# Altium PCB PCB_V1.0.PcbDoc
Units mil, origin at the board's own origin, x right, y up, seen from the top; angles counter-clockwise.
Board outline 2362.2 x 3149.61 mil, 2 copper layers (Top Layer, Bottom Layer); 88 components, 55 nets, 328 pads, 391 vias.
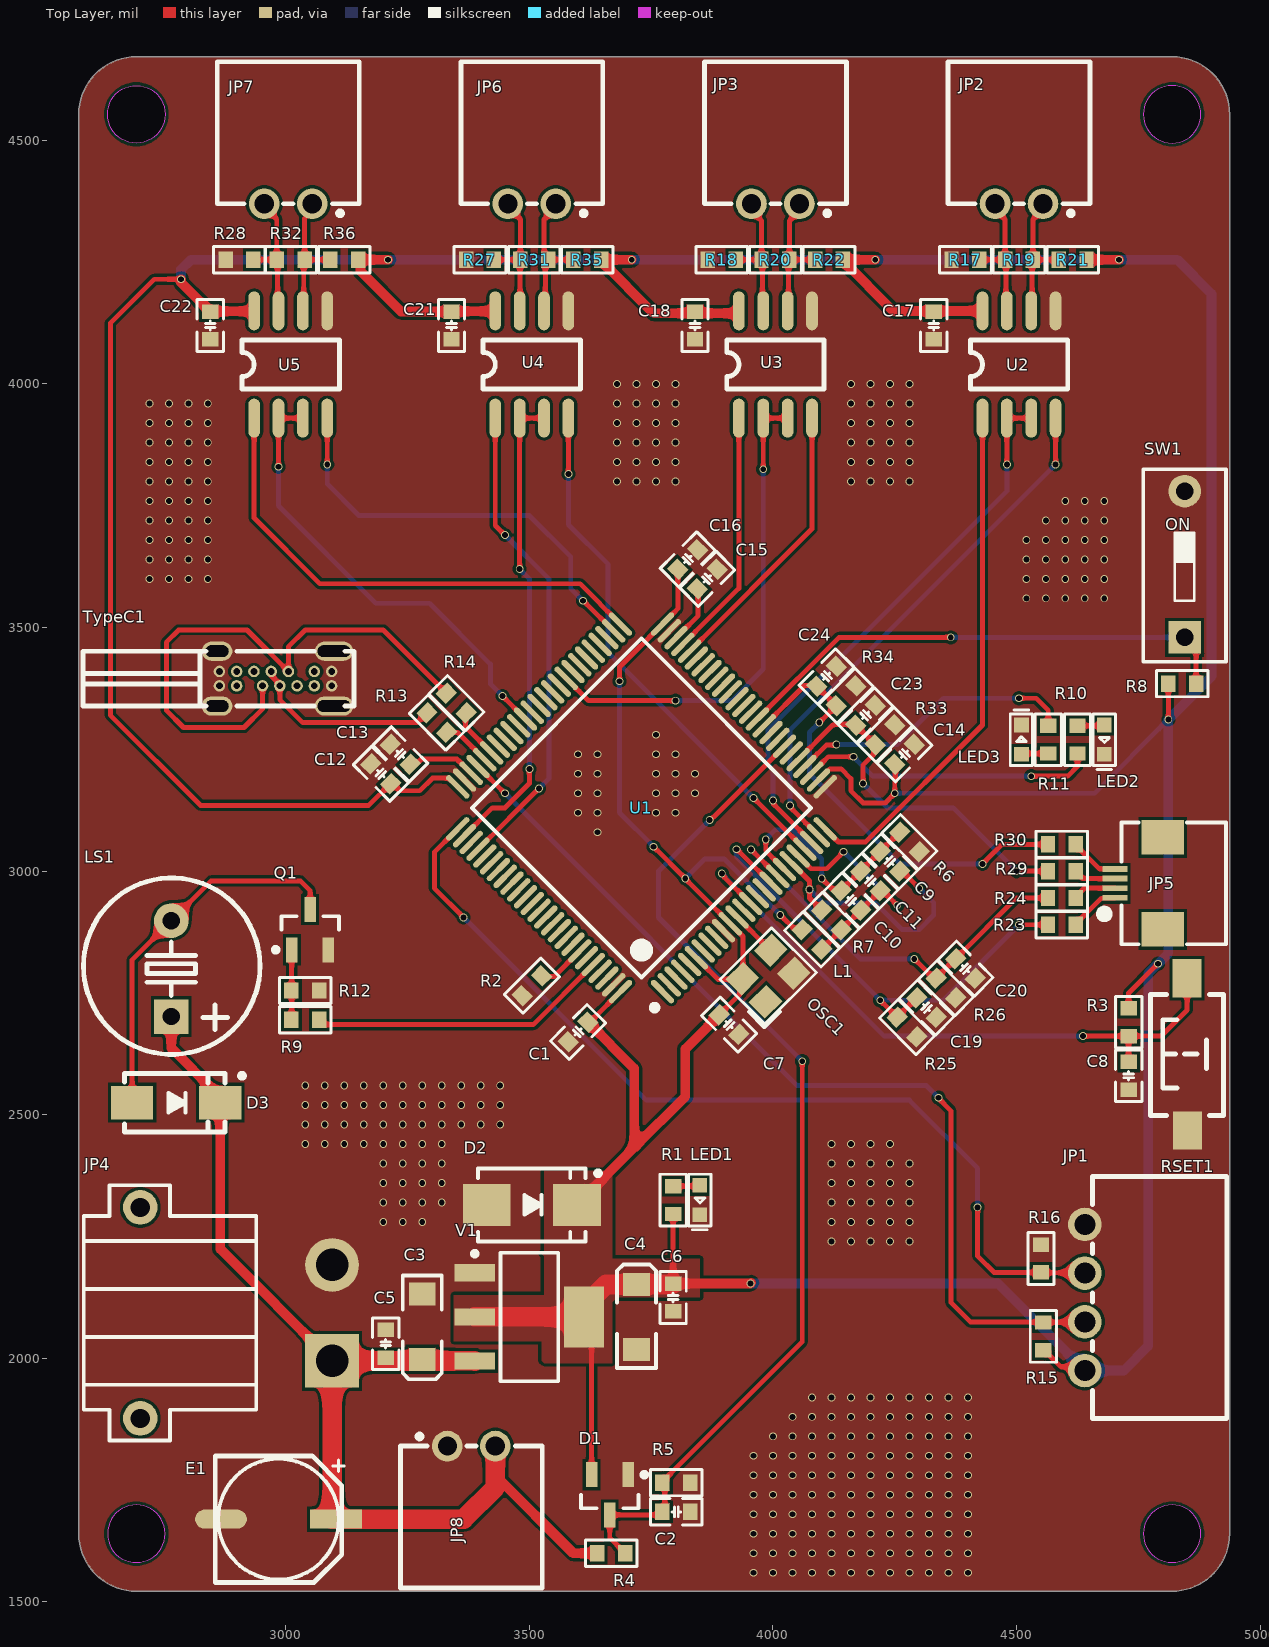
[diagram p0: Top Layer view]
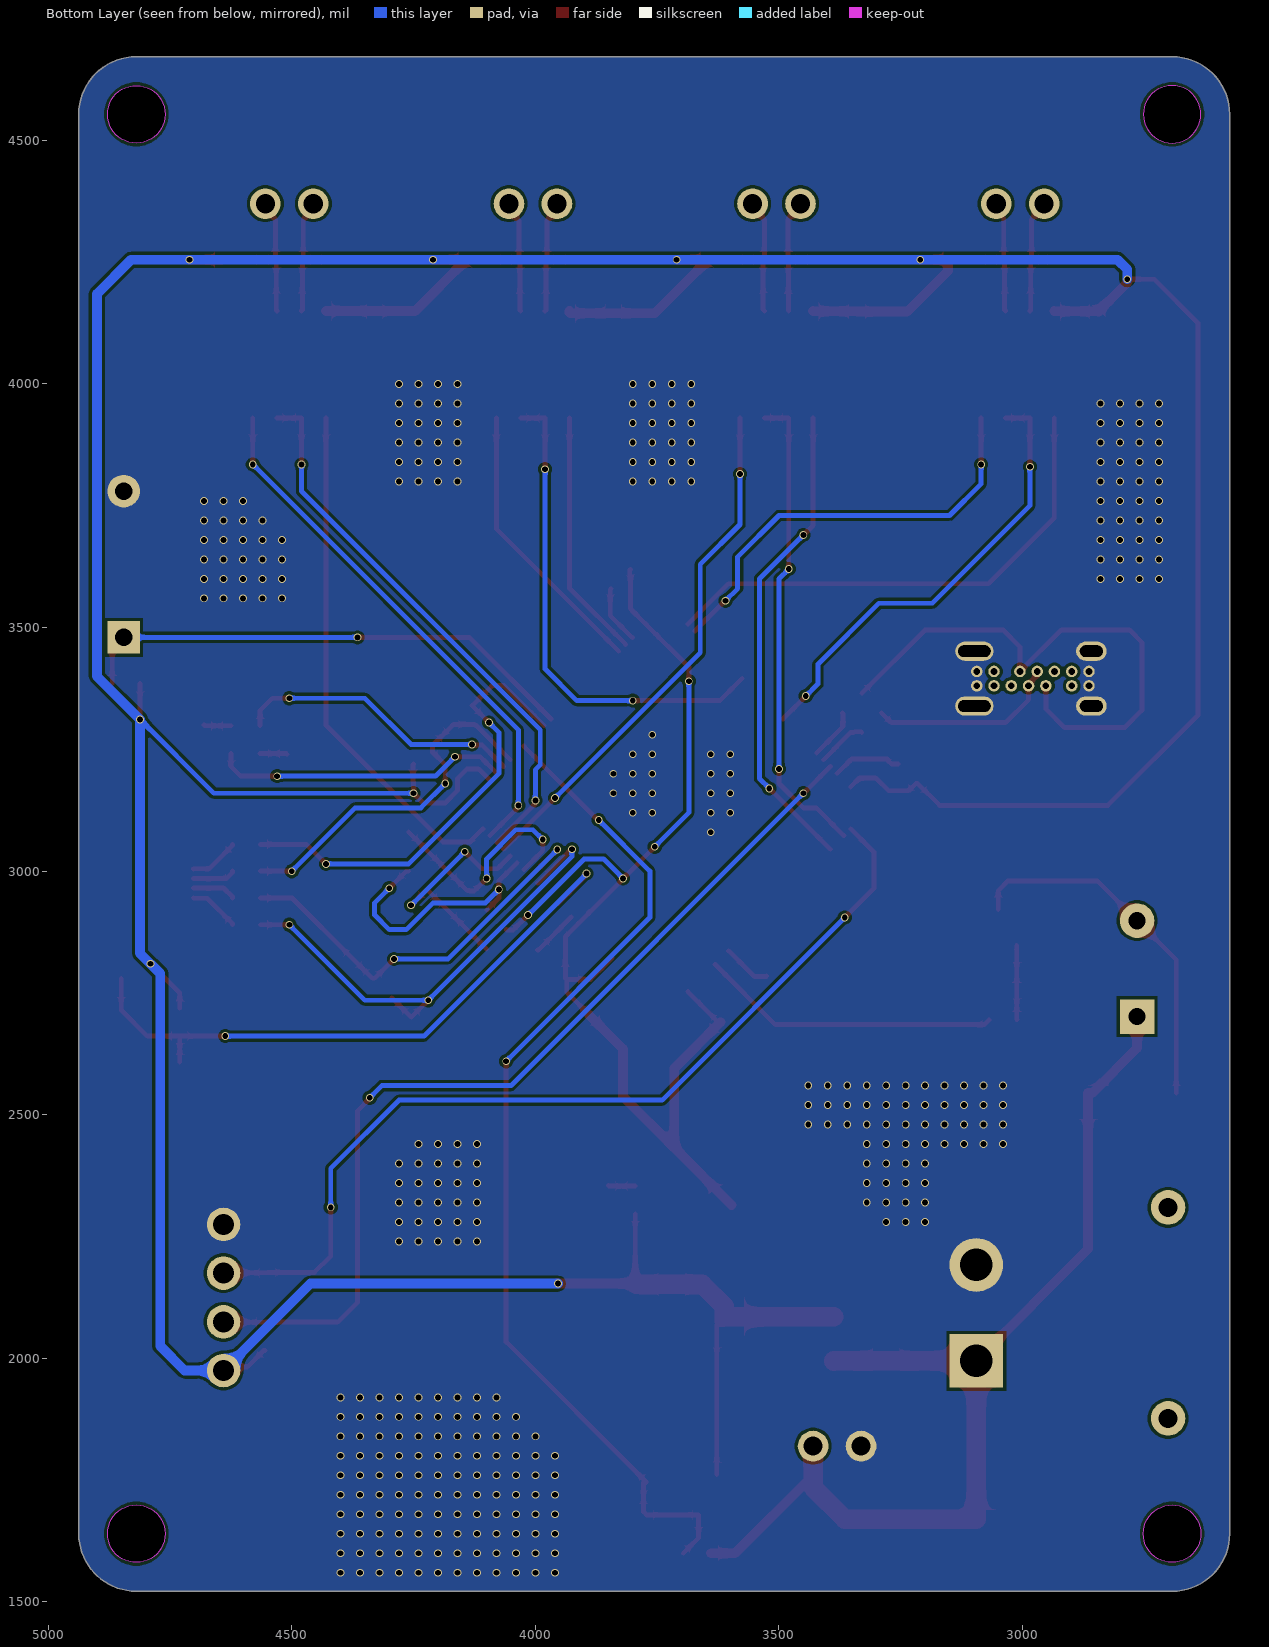
[diagram p1: Bottom Layer view, seen from below]
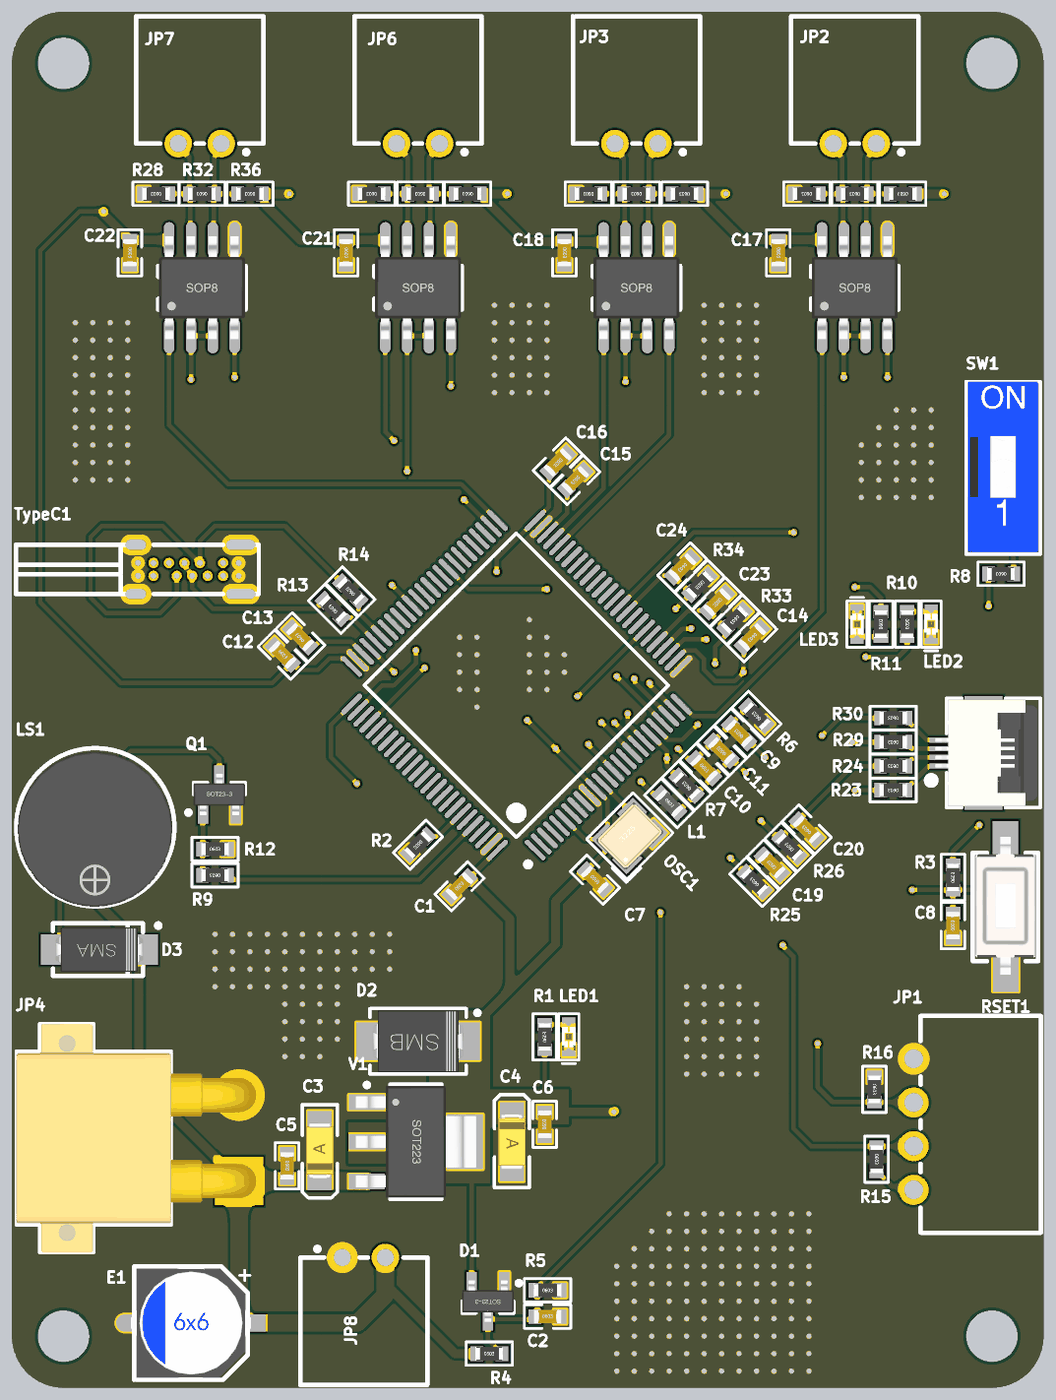
[diagram p2: 3D render of the assembled board from above, using the file's embedded part models]

## Layer stack, top to bottom
Top Solder: solder mask 0.4, Solder Resist, Dk 3.5
Top Layer: signal copper 1.4
Dielectric 1: dielectric 12.6, FR-4, Dk 4.8
Bottom Layer: signal copper 1.4
Bottom Solder: solder mask 0.4, Solder Resist, Dk 3.5

## Board outline
2575.03,1640.15 2575.03,4553.54 cw(c2693.14,4553.54) 2693.15,4671.65 4819.13,4671.65 cw(c4819.13,4553.54) 4937.24,4553.54 4937.24,1640.15 cw(c4819.13,1640.15) 4819.13,1522.04 2693.14,1522.04 cw(c2693.14,1640.15)
cut-out: 2693.14,4494.48 cw(c2693.14,4553.54) 2634.09,4553.54 cw(c2693.14,4553.54) 2693.14,4612.59 cw(c2693.14,4553.54) 2752.2,4553.54 cw(c2693.14,4553.54)
cut-out: 4760.07,1640.15 ccw(c4819.13,1640.15) 4819.13,1581.09 ccw(c4819.13,1640.15) 4878.18,1640.15 ccw(c4819.13,1640.15) 4819.13,1699.2 ccw(c4819.13,1640.15)
cut-out: 2634.09,1640.15 ccw(c2693.14,1640.15) 2693.14,1581.09 ccw(c2693.14,1640.15) 2752.2,1640.15 ccw(c2693.14,1640.15) 2693.14,1699.2 ccw(c2693.14,1640.15)
cut-out: 4760.07,4553.54 ccw(c4819.13,4553.54) 4819.13,4494.48 ccw(c4819.13,4553.54) 4878.18,4553.54 ccw(c4819.13,4553.54) 4819.13,4612.59 ccw(c4819.13,4553.54)
cut-out: 2693.14,4494.48 cw(c2693.14,4553.54) 2634.09,4553.54 cw(c2693.14,4553.54) 2693.14,4612.59 cw(c2693.14,4553.54) 2752.2,4553.54 cw(c2693.14,4553.54)

## Design rules (kind name [scope] priority, off if disabled: settings)
Clearance [All] p1: gap=6 ignorepadtopadclearanceinfootprint=TRUE
PlaneConnect [All] p1: planeconnectstyle=Direct reliefexpansion=20 reliefentries=4 reliefconductorwidth=10 reliefairgap=10
PolygonConnect [All] p1: connectstyle=Direct reliefconductorwidth=10 reliefentries=4 polygonreliefangle="90 Angle" airgapwidth=10
RoutingVias [All] p1: holewidth=28 width=50 viastyle="Through Hole" minholewidth=12 minwidth=16 maxholewidth=28 maxwidth=50
SolderMaskExpansion [All] p1: expansion=4 istentingtop=FALSE
Width Width_1 [All] p1: maxlimit=100 minlimit=10 preferedwidth=10
Width [All] p2: maxlimit=10 minlimit=10 preferedwidth=10
29 further rules are at their usual default settings.

## Components (designator, comment, footprint, x,y, rotation, side; value= is the part's Value field where it differs from the comment)
C1 "100nF" C0603_L 3600,2670 r45 top
C2 "100nF" C0603_L 3801.57,1685 r0 top
C3 "10uF" C_3216 3280,2065 r90 top
C4 "10uF" C_3216 3720,2085 r270 top
C5 "100nF" C0603_L 3205,2030 r270 top
C6 "100nF" C0603_L 3795,2125 r90 top
C7 "100nF" C0603_L 3910,2685 r315 top
C8 "100nF" C0603_L 4730,2580 r90 top
C9 "1uF" C0603_L 4240,3020 r135 top
C10 "10uF" C0603_L 4160,2940 r315 top
C11 "10nF" C0603_L 4200,2980 r135 top
C12 "100nF" C0603_L 3195,3200 r315 top
C13 "2.2uF" C0603_L 3235,3240 r135 top
C14 "100nF" C0603_L 4270,3240 r225 top
C15 "2.2uF" C0603_L 3865,3600 r225 top
C16 "100uF" C0603_L 3825,3640 r225 top
C17 "100nF" C0603_L 4330,4120 r270 top
C18 "100nF" C0603_L 3840,4120 r270 top
C19 "100uF" C0603_L 4315,2720 r135 top
C20 "100uF" C0603_L 4395,2800 r135 top
C21 "100nF" C0603_L 3340,4120 r270 top
C22 "100nF" C0603_L 2845,4120 r270 top
C23 "100uF" C0603_L 4190,3320 r225 top
C24 "100uF" C0603_L 4110,3400 r225 top
D1 "BAV99,215" SOT-23-3 3665,1720 r180 top
D2 "SMBJ3.3A" SMB 3505,2315 r180 top
D3 "SS14" SMA 2775,2525 r0 top
E1 "220uF/25V" "CS 6*6 - B" 2985,1670 r0 top
JP1 "HDR-1X4" XH2.54-W-4P 4640,2125 r90 top
JP2 "HDR-1X2" XH2.54-W-2P 4505,4370 r180 top
JP3 "HDR-1X2" XH2.54-W-2P 4005,4370 r180 top
JP4 "XT30-M" XT30PW-M 2898.15,2093.43 r90 top
JP5 "CON-4P" FPC0.5-WT-4P 4800,2975 r90 top
JP6 "HDR-1X2" XH2.54-W-2P 3505,4370 r180 top
JP7 "HDR-1X2" XH2.54-W-2P 3005,4370 r180 top
JP8 "HDR-1X2" XH2.54-W-2P 3380.79,1820 r0 top
L1 "磁珠" L0603 4080,2860 r315 top
LED1 "绿色" LED0603_B 3850,2325 r270 top
LED2 "红色" LED0603_G 4680,3270 r270 top
LED3 "红色" LED0603_R 4510,3270 r90 top
LS1 "DC5V" "BEEP 5x9x5.5" 2765,2800 r0 top
OSC1 "8MHz" XTAL-3225-4P 3990,2785 r45 top
Q1 "SS8050" SOT23-3N 3050,2880 r0 top
R1 "3KΩ" R0603_L 3795,2325 r90 top
R2 "10KΩ" R0603_L 3505,2765 r225 top
R3 "10KΩ" R0603_L 4730,2690 r90 top
R4 "200KΩ" R0603_L 3668.03,1600 r0 top
R5 "24.9KΩ" R0603_L 3801.57,1745 r0 top
R6 "0Ω" R0603_L 4280,3060 r135 top
R7 "10Ω" R0603_L 4120,2900 r135 top
R8 "10KΩ" R0603_L 4840,3385 r180 top
R9 "1KΩ" R0603_L 3040,2695 r180 top
R10 "1KΩ" R0603_L 4625,3270 r270 top
R11 "1KΩ" R0603_L 4565,3270 r90 top
R12 "10KΩ" R0603_L 3040,2755 r0 top
R13 "10Ω" R0603_L 3310,3305 r135 top
R14 "10Ω" R0603_L 3350,3345 r135 top
R15 "10K" R0603_L 4555,2045 r270 top
R16 "10K" R0603_L 4550,2205 r270 top
R17 "10KΩ" R0603_L 4395,4255 r180 top
R18 "10KΩ" R0603_L 3895,4255 r180 top
R19 "120Ω" R0603_L 4505,4255 r180 top
R20 "120Ω" R0603_L 4005,4255 r180 top
R21 "10KΩ" R0603_L 4615,4255 r180 top
R22 "10KΩ" R0603_L 4115,4255 r180 top
R23 "10KΩ" R0603_L 4592.91,2890 r180 top
R24 "10KΩ" R0603_L 4592.91,2945 r180 top
R25 "24.9KΩ" R0603_L 4275,2680 r135 top
R26 "24.9KΩ" R0603_L 4355,2760 r135 top
R27 "10KΩ" R0603_L 3398.54,4255 r180 top
R28 "10KΩ" R0603_L 2905,4255 r180 top
R29 "10KΩ" R0603_L 4592.91,3000 r180 top
R30 "10KΩ" R0603_L 4592.91,3055 r180 top
R31 "120Ω" R0603_L 3510,4255 r180 top
R32 "120Ω" R0603_L 3010,4255 r180 top
R33 "24.9KΩ" R0603_L 4230,3280 r225 top
R34 "24.9KΩ" R0603_L 4150,3360 r225 top
R35 "10KΩ" R0603_L 3618.54,4255 r180 top
R36 "10KΩ" R0603_L 3120,4255 r180 top
RSET1 "3x6x5" "SW SMD-3*6*2.5" 4850,2625 r90 top
SW1 "DIP-SW-1P" "SW DIP-1P" 4845,3630 r0 top
TypeC1 "U264-141N-4BAC10" USB-C-Type-侧插 2978.86,3395.24 r90 top
U1 "STM32H743VIT6" LQFP-100_L14.0-W14.0-P0.50-LS16.0-BL 3730,3130 r45 top
U2 "SSP485" SOP-8 4505,4040 r90 top
U3 "SSP485" SOP-8 4005,4040 r90 top
U4 "SSP485" SOP-8 3505,4040 r90 top
U5 "SSP485" SOP-8 3010,4040 r90 top
V1 "AMS1117-3V3" SOT223_L 3500,2085 r270 top

## Footprints (in the part's own frame and the unit in brackets; to place one, negate y for a bottom-side part, rotate by r counter-clockwise, add the part's x,y. Pads: shape width x height; smd on the part's side, far side on the other; paste and mask are expansions set on the pad)
"BEEP 5x9x5.5" [mm] "5*9*5.5mm(脚距,直径,高度)        淘宝ID:黄晶宝石"
  rect 1.8x1.8 hole 0.9: 1(0,-2.5)
  round 1.8 hole 0.9: 2(0,2.5)
  silkscreen extent -4.58,-4.47 4.62,4.72, body extent -4.5,-4.5 4.5,4.5, height 5.45
C0603_L [mm] "贴片MLCC电容"
  rect 0.75x0.85 smd: 1(-0.725,0) 2(0.725,0)
  silkscreen extent -1.35,-0.69 1.35,0.69, body extent -0.8,-0.4 0.8,0.4, height 0.8
C_3216 [mm] "长3.2mm，宽1.6mm，厚1.6mm"
  rect 1.2x1.4 smd: 1(-1.7,0) 2(1.7,0)
  silkscreen extent -2.74,-1.02 2.67,1.02, body extent -1.6,-0.8 1.6,0.8, height 1.63
"CS 6*6 - B" [mm] "直径6mm，高6mm             联系卖家 免费人工查找封装"
  rect 2.7x1 smd: 1(3,0)
  oval 2.7x1 smd: 2(-3,0)
  silkscreen extent -3.3,-3.3 3.43,3.3, body extent -3.5,-3.15 3.5,3.15, height 6.05
FPC0.5-WT-4P [mm] "长：6.2mm，宽：5.2mm，高：2mm"
  rect 1.8x2.2 smd: 0(-2.4,0) 0(2.4,0)
  rect 0.3x1.3 smd: 1(-0.75,2.497) 2(-0.25,2.497) 3(0.25,2.497) 4(0.75,2.497)
  silkscreen extent -3.17,-3.3 3.18,3.23, body extent -3.1,-3.15 3.1,2.85, height 2
L0603 [mm] "0603贴片叠层电感"
  rect 0.75x0.85 smd: 1(-0.725,0) 2(0.725,0)
  silkscreen extent -1.35,-0.69 1.35,0.69, body extent -0.8,-0.4 0.8,0.4, height 0.8
LED0603_B [mil] "蓝色0603LED"
  rect 30x30 smd: 1(-30,0) 2(30,0)
  silkscreen extent -53,-23 61,23, body extent -31,-16 32,16, height 24
LED0603_G [mil] "绿色LED"
  rect 30x30 smd: 1(-30,0) 2(30,0)
  silkscreen extent -53,-23 61,23, body extent -31,-16 31,16, height 24
LED0603_R [mil] "红色LED"
  rect 30x30 smd: 1(-30,0) 2(30,0)
  silkscreen extent -53,-23 61,23, body extent -31,-16 32,16, height 24
LQFP-100_L14.0-W14.0-P0.50-LS16.0-BL [mm]
  oval 0.3x1.6 smd paste-100 mask+0.051: 1(-6,-7.55) 2(-5.5,-7.55) 3(-5,-7.55) 4(-4.5,-7.55) 5(-4,-7.55) 6(-3.5,-7.55) 7(-3,-7.55) 8(-2.5,-7.55) 9(-2,-7.55) 10(-1.5,-7.55) 11(-1,-7.55) 12(-0.5,-7.55) 13(0,-7.55) 14(0.5,-7.55) 15(1,-7.55) 16(1.5,-7.55) 17(2,-7.55) 18(2.5,-7.55) 19(3,-7.55) 20(3.5,-7.55) 21(4,-7.55) 22(4.5,-7.55) 23(5,-7.55) 24(5.5,-7.55) 25(6,-7.55) 51(6,7.55) 52(5.5,7.55) 53(5,7.55) 54(4.5,7.55) 55(4,7.55) 56(3.5,7.55) 57(3,7.55) 58(2.5,7.55) 59(2,7.55) 60(1.5,7.55) 61(1,7.55) 62(0.5,7.55) 63(0,7.55) 64(-0.5,7.55) 65(-1,7.55) 66(-1.5,7.55) 67(-2,7.55) 68(-2.5,7.55) 69(-3,7.55) 70(-3.5,7.55) 71(-4,7.55) 72(-4.5,7.55) 73(-5,7.55) 74(-5.5,7.55) 75(-6,7.55)
  oval 1.6x0.3 smd paste-100 mask+0.051: 26(7.55,-6) 27(7.55,-5.5) 28(7.55,-5) 29(7.55,-4.5) 30(7.55,-4) 31(7.55,-3.5) 32(7.55,-3) 33(7.55,-2.5) 34(7.55,-2) 35(7.55,-1.5) 36(7.55,-1) 37(7.55,-0.5) 38(7.55,0) 39(7.55,0.5) 40(7.55,1) 41(7.55,1.5) 42(7.55,2) 43(7.55,2.5) 44(7.55,3) 45(7.55,3.5) 46(7.55,4) 47(7.55,4.5) 48(7.55,5) 49(7.55,5.5) 50(7.55,6) 76(-7.55,6) 77(-7.55,5.5) 78(-7.55,5) 79(-7.55,4.5) 80(-7.55,4) 81(-7.55,3.5) 82(-7.55,3) 83(-7.55,2.5) 84(-7.55,2) 85(-7.55,1.5) 86(-7.55,1) 87(-7.55,0.5) 88(-7.55,0) 89(-7.55,-0.5) 90(-7.55,-1) 91(-7.55,-1.5) 92(-7.55,-2) 93(-7.55,-2.5) 94(-7.55,-3) 95(-7.55,-3.5) 96(-7.55,-4) 97(-7.55,-4.5) 98(-7.55,-5) 99(-7.55,-5.5) 100(-7.55,-6)
  silkscreen extent -7.03,-8 6.25,6.25
R0603_L [mm] "1/10W贴片电阻"
  rect 0.75x0.85 smd: 1(-0.725,0) 2(0.725,0)
  silkscreen extent -1.35,-0.69 1.35,0.69, body extent -0.8,-0.4 0.8,0.4, height 0.4
SMA [mm] "4.5x2.6*2.2mm（长宽高，不包括引脚）联系卖家 免费查找封装"
  rect 2.2x1.75 smd: 1(-2.3,0) 2(2.3,0)
  silkscreen extent -2.7,-1.52 3.56,1.52, body extent -2.55,-1.3 2.55,1.3, height 2.15
SMB [mm] "4.7*3.9*2.2mm(长宽高，不包括引脚）联系卖家 免费查找封装"
  rect 2.5x2.2 smd: 1(2.35,0) 2(-2.35,0)
  silkscreen extent -3.57,-1.9 2.8,1.9, body extent -2.65,-1.8 2.65,1.8, height 2.35
SOP-8 [mil] "封装库来自淘宝卖家 ID：黄晶宝石"
  oval 80x24 smd: 1(-110,75) 2(-110,25) 3(-110,-25) 4(-110,-75) 5(110,-75) 6(110,-25) 7(110,25) 8(110,75)
  silkscreen extent -50,-100 50,100, body extent -118,-98 118,98, height 75
SOT23-3N [mm] "SOT23, 3-Leads, Body 2.9x1.3mm, Pitch 0.95mm, Lead Span 2.4mm, IPC Medium Density  联系卖家  获取最新版本"
  rect 0.6x1.3 smd: 1(-0.95,-1.05) 2(0.95,-1.05) 3(0,1.05)
  silkscreen extent -1.92,-1.17 1.5,0.7, body extent -1.5,-1.2 1.5,1.2, height 1.05
SOT223_L [mm] "SOT223, 4-Leads, Body 6.5x3.5mm, Pitch 2.3mm, Lead Span 7mm, IPC High Density"
  rect 0.9x2.1 smd: 1(-2.3,-2.85) 2(0,-2.85) 3(2.3,-2.85)
  rect 3.2x2.1 smd: 4(0,2.85)
  silkscreen extent -3.42,-2.97 3.35,1.5, body extent -3.25,-3.51 3.25,3.51, height 1.65
SOT-23-3 [mm] "SOT23, 3-Leads, Body 2.9x1.3mm, Pitch 0.95mm, Lead Span 2.4mm, IPC Medium Density"
  rect 0.6x1.3 smd: 1(-0.95,-1.05) 2(0.95,-1.05) 3(0,1.05)
  silkscreen extent -1.93,-1.17 1.5,0.7, body extent -1.5,-1.2 1.5,1.2, height 1.05
"SW DIP-1P" [mm] "4.1*9.9*7mm"
  rect 1.7x1.7 hole 0.9: 1(0,-3.81)
  round 1.7 hole 0.9: 2(0,3.81)
  silkscreen extent -2.16,-5.08 2.16,4.95, body extent -2.05,-4.95 2.05,4.95, height 6.65
"SW SMD-3*6*2.5" [mm] "3*6*2.5mm"
  rect 2x1.5 smd: 1(-3.996,-0.02) 2(3.937,0)
  silkscreen extent -3.21,-1.9 3.09,1.9, body extent -4,-1.75 4,1.75, height 2.59
USB-C-Type-侧插 [mm] "侧插typec"
  round 0.6 hole 0.35: 1(0.375,2.925) 2(0.375,2.025) 3(0.375,1.125) 4(0.375,0.225) 5(0.375,-0.675) 6(0.375,-2.025) 7(0.375,-2.925) 8(-0.375,-2.925) 9(-0.375,-2.025) 10(-0.375,-1.125) 11(-0.375,-0.225) 12(-0.375,0.675) 13(-0.375,2.025) 14(-0.375,2.925)
  oval 1x1.6 hole 0.6 slot 1.2 at 90 deg: 15(-1.43,3.05) 16(1.43,3.05)
  oval 1x2 hole 0.6 slot 1.7 at 90 deg: 17(-1.43,-3.05) 18(1.43,-3.05)
  silkscreen extent -1.43,-4.1 1.43,10.03
XH2.54-W-2P [mm]
  round 1.6 hole 1: 1(-1.25,0) 2(1.25,0)
  silkscreen extent -3.7,-7.4 3.7,0.6
XH2.54-W-4P [mm]
  round 1.75 hole 1.1 paste+0 mask+0.05: 1(-3.81,0) 2(-1.27,0) 3(1.27,0) 4(3.81,0)
  silkscreen extent -6.3,-7.4 6.3,-0.4
XT30PW-M [mm] "TH, 4-Leads, Body 13.95x13.3mm"
  rect 2.8x2.8 hole 1.7: 1(-2.5,-5)
  round 2.8 hole 1.7: 2(2.5,-5)
  round 1.8 hole 1: MP1(-5.5,5) MP2(5.5,5)
  silkscreen extent -6.65,-1.05 6.65,7.95, body extent -6.65,-6 6.65,7.95, height 5.05
XTAL-3225-4P [mm] "3.2*2.5*0.7mm(长宽高)                             淘宝ID:黄晶宝石"
  rect 1.3x1.2 smd: 1(-1.05,-0.85) 2(1.05,-0.85) 3(1.05,0.85) 4(-1.05,0.85)
  silkscreen extent -2.03,-1.75 1.9,1.65, body extent -1.6,-1.25 1.6,1.25, height 0.7

## Part data
C1 C5 C6 C7 C8 C9 C10 C11 C12 C13 C14 C15 C16 C19 C20 C23 C24: library part C, "贴片电容/MLCC电容", BOM名称=无极性贴片电容, 联系下单店铺卖家 免费帮你查找封装="联系下单店铺卖家 免费技术指导"
C2 C17 C18 C21 C22: library part CC, "瓷片电容", BOM名称=直插瓷片电容, 当前库版本V2024.8.30，下一版本发布时间2024年10月份 @淘宝卖家:黄晶宝石=最新版本发布网址https://item.taobao.com/item.htm?id=566775463719
C3 C4: library part CT, "贴片钽电容", BOM名称=贴片钽电容, 联系下单店铺卖家 免费帮你查找封装="联系下单店铺卖家 免费技术指导"
D1: Average Rectified Current (Io)=215mA, Forward Voltage (Vf@If)=1.25V@150mA, JLCPCB Part Class="Basic Part", LCSC Part Name="电压:100V 电流:215mA", Manufacturer=Nexperia(安世), Operating Temperature=-, Power Dissipation=250mW, Reverse Leakage Current=500nA@80V, Reverse Voltage (Vr)=100V, Add into BOM=yes, Convert to PCB=yes, Datasheet=https://atta.szlcsc.com/upload/public/pdf/source/20151007/1457707429518.pdf, Device=BAV99,215, Diode Configuration=1对串联式, Manufacturer Part=BAV99,215, Reverse Recovery Time (trr)=4ns, Supplier=LCSC, Supplier Footprint=SOT-23, Supplier Part=C2500, Symbol=BAV99,215
D2: library part SMBJ30A-E3/52, "30V 600W瞬态抑制二极管", BOM名称=TVS瞬态抑制二极管, 属性="30V 600W", 当前库版本V2024.8.30，下一版本发布时间2024年10月份 @淘宝卖家:黄晶宝石=最新版本发布网址https://item.taobao.com/item.htm?id=566775463719
D3: "肖特基二极管", BOM名称=肖特基二极管, 属性=40V/1A, 当前库版本V2024.8.30，下一版本发布时间2024年10月份 @淘宝卖家:黄晶宝石=最新版本发布网址https://item.taobao.com/item.htm?id=566775463719
E1: library part CS_SMD, "贴片固态电容", BOM名称=贴片固态电容, 联系下单店铺卖家 免费帮你查找封装="联系下单店铺卖家 免费技术指导"
JP1: library part "Header 4", "4P接插件", BOM名称=4P接插件, 封装库来自淘宝卖家ID：黄晶宝石=其他店铺购入均为盗版封装库，请立即申请退款，本店现金奖励50~200元, 联系卖家，免费查找封装=唯一出售店铺网址https://shop463601444.taobao.com
JP2 JP3 JP6 JP7 JP8: library part "Header 2", "2P接插件", BOM名称=2P接插件, 封装库来自淘宝卖家ID：黄晶宝石=其他店铺购入均为盗版封装库，请立即申请退款，本店现金奖励50~200元, 联系卖家，免费查找封装=唯一出售店铺网址https://shop463601444.taobao.com
JP4: "XT30公头", 当前库版本V2024.5.31，下一版本发布时间2024年8月份 @淘宝卖家:黄晶宝石=最新版本发布网址https://item.taobao.com/item.htm?id=566775463719
JP5: library part "Header 4", "4P连接器", BOM名称=4P连接器, 封装库来自淘宝卖家:黄晶宝石=最新版本发布https://shop463601444.taobao.com
L1: library part L, "贴片小功率电感", BOM名称=小功率贴片电感, 联系下单店铺卖家 免费帮你查找封装="联系下单店铺卖家 免费技术指导"
LED1 LED2 LED3: library part LED, "贴片LED", BOM名称=贴片LED, 封装库来自淘宝卖家：黄晶宝石=其他店铺购入均为盗版封装库，无更新权益，请立即申请退款，本店现金奖励200~1000元
LS1: library part BEEP, "蜂鸣器", BOM名称=蜂鸣器, 联系下单店铺卖家 免费技术支持="联系下单店铺卖家 免费帮你查找封装"
OSC1: library part XTAL-OT2EL4C4JI, JLCPCB Part Class="Extended Part", LCSC Part Name="8MHZ?1.8V-3.3V?±10PPM YSO110TR", Manufacturer=YXC(扬兴晶振), Manufacturer Part=OT2EL4C4JI-111OLP-8M, Normal temperature Frequency Tolerance=±10ppm, Operating Temperature=-40℃~+85℃, Supply Voltage=1.8V~3.3V, Add into BOM=yes, Convert to PCB=yes, Datasheet=https://atta.szlcsc.com/upload/public/pdf/source/20221009/1148DEA51132416CC556CBB25766F9C8.pdf, Device=OT2EL4C4JI-111OLP-8M, Output Type=CMOS, Supplier=LCSC, Supplier Footprint=SMD3225-4P, Supplier Part=C5189450, Symbol=OT2EL4C4JI-111OLP-8M
Q1: library part 8050-SMD, "高频放大-NPN型", BOM名称=高频放大-NPN型, 参数="40V 1.5A 1W 100MHZ", 当前库版本V2024.8.30，下一版本发布时间2024年10月份 @淘宝卖家:黄晶宝石=最新版本发布网址https://item.taobao.com/item.htm?id=566775463719
R1 R2 R3 R4 R5 R6 R7 R8 R9 R10 R11 R12 R13 R14 R15 R16 R17 R18 R19 R20 R21 R22 R23 R24 R25 R26 R27 R28 R29 R30 R31 R32 R33 R34 R35 R36: library part R, "贴片电阻", BOM名称=贴片电阻, 联系下单店铺卖家 免费帮你查找封装="联系下单店铺卖家 免费技术指导"
RSET1: library part SW-PB, "微动开关", BOM名称=3x6轻触开关, 联系下单店铺卖家 免费技术支持="联系下单店铺卖家 免费帮你查找封装"
SW1: "1路拨码开关", BOM名称=1路拨码开关, 联系下单店铺卖家 免费技术支持="联系下单店铺卖家 免费帮你查找封装"
TypeC1: library part USB3.0-Type-C-侧插, Current Rating - Power (Max)=3A, JLCPCB Part Class="Extended Part", LCSC Part Name="Type-C 母 侧插", Manufacturer="XKB Connectivity(中国星坤)", Operating Temperature Range=-40℃~+85℃, Soldering Temperature(Max)=235℃, Add into BOM=yes, Connector Type=Type-C, Contact Material=铜合金, Contact Plating=金, Convert to PCB=yes, Datasheet=https://atta.szlcsc.com/upload/public/pdf/source/20211011/3C526B1D157DB714A375BD92771BEA39.pdf, Device=U264-141N-4BAC10, Gender=母, Manufacturer Part=U264-141N-4BAC10, Mounting Style=侧插, Number of Contacts=14P, Number of Ports=1, Standard="USB 3.1", Supplier=LCSC, Supplier Footprint=插件, Supplier Part=C692526, Symbol=U264-141N-4BAC10
U1: library part STM32H743VIT6_C114409, JLCPCB Part Class="Extended Part", LCSC Part Name="带DSP和DP-FPU的高性能ARM Cortex-M7 MCU，具有2 MB Flash、1 MB RAM、480 MHz CPU、ART加速器、一级缓存、外部存储器接口和大量外设", Low-Voltage Detect=有, Manufacturer=ST(意法半导体), Operating Temperature Range=-40℃~+85℃, Operating Voltage Range=1.71V~3.6V, ADC (Bit)=16bit, Add into BOM=yes, Convert to PCB=yes, CPU Core=-, CPU Maximum Speed=480MHz, DAC (Bit)=12bit, Datasheet=https://atta.szlcsc.com/upload/public/pdf/source/20200508/C529058_DA70143F266D6D825C3A912656F12A87.pdf, Device=STM32H743VIT6_C114409, Direct Memory Access=有, GPIO Ports Number=82, Infrared Data Association=有, Internal Oscillator=有, LCD Module=有, Manufacturer Part=STM32H743VIT6, Program Storage Size=2MB, Secure Digital Input and Output=有, Supplier=LCSC, Supplier Footprint=LQFP-100(14x14), Supplier Part=C114409, Symbol=stm32h743vit6_c114409, Universal Serial Bus=有, Watchdog=有
U2 U3 U4 U5: library part MAX3485CSA, "RS485/RS422收发器芯片", 当前库版本V2024.8.30，下一版本发布时间2024年10月份 @淘宝卖家:黄晶宝石=最新版本发布网址https://item.taobao.com/item.htm?id=566775463719
V1: library part AMS1117, "三端稳压芯片", BOM名称=稳压芯片, 当前库版本V2024.8.30，下一版本发布时间2024年10月份 @淘宝卖家:黄晶宝石=最新版本发布网址https://item.taobao.com/item.htm?id=566775463719, 联系下单店铺卖家 免费帮你查找封装="联系下单店铺卖家 免费技术支持"

## Via types
v1: diameter 16, hole 12, Top Layer to Bottom Layer, tented both sides, 334 vias
v2: diameter 16, hole 12, Top Layer to Bottom Layer, 57 vias

## Nets (pads, with @x,y where several pads share a name; then routed paths per layer and width w, separated by ;. In a path a pad name is that pad's centre, name@x,y a point inside that pad or via, vN(x,y) a via of type N, cw(c..) or ccw(c..) an arc to the next point about the centre after c; other vN are vias at no path point)
ADCP0: C19.2 R23.2 R25.2 U1.17 | length 1046.2
  Top Layer w10: v2(3925,3045) 3925.87,3045 3995.37,2975.5 U1.17 ; v2(4220,2735) R25.2 C19.2 ; v2(4505,2890) R23.2
  Bottom Layer w10: v2(3925,3045) 3925,3030 v2(4220,2735) 4350,2735 v2(4505,2890)
ADCP1: C20.2 R24.2 R26.2 U1.18 | length 864.5
  Top Layer w10: v2(3955,3044.2) U1.18 ; v2(4290,2820) 4329.82,2780.18 R26.2 C20.2 4499.63,2945 R24.2
  Bottom Layer w10: v2(3955,3044.2) 4179.2,2820 v2(4290,2820)
ADCP2: C23.2 R29.2 R33.2 U1.30 | length 752.6
  Top Layer w10: U1.30 4122.71,3300 4125,3300 4126.21,3301.21 4168.42,3301.21 C23.2 R33.2@4211.21,3258.42 ; v2(4185,3180) 4185,3218.41 4211.21,3244.62 R33.2@4211.21,3258.42 ; R33.2 R33.2@4211.21,3258.42 ; v2(4500,3000) R29.2
  Bottom Layer w10: v2(4185,3180) 4235,3130 4370,3130 v2(4500,3000)
ADCP3: C24.2 R30.2 R34.2 U1.35 | length 944.4
  Top Layer w10: U1.35 4064.73,3381.21 4088.42,3381.21 C24.2 R34.2 v2(4095,3305) ; v2(4430,3015) 4470,3055 R30.2
  Bottom Layer w10: v2(4095,3305) 4075,3285 4075,3200 4260,3015 v2(4430,3015)
API0: JP5.1 R23.1 | length 104.4
  Top Layer w10: R23.1 4621.46,2891.97 4674.06,2944.57 4700.79,2944.57 JP5.1
API1: JP5.2 R24.1 | length 89.7
  Top Layer w10: R24.1 4621.46,2946.97 4639.65,2965.16 JP5.2
API2: JP5.3 R29.1 | length 87.7
  Top Layer w10: R29.1 4621.46,2998.03 4634.65,2984.84 JP5.3
API3: JP5.4 R30.1 | length 102.3
  Top Layer w10: R30.1 4621.46,3053.03 4669.47,3005.02 4701.2,3005.02 JP5.4
BATADC: C2.1 D1.3 R4.2 R5.1 U1.32 | length 2128.5
  Top Layer w10: R4.2 3665,1631.57 D1.3 3771.69,1678.66 3778.03,1685 R5.1@3778.03,1745 ; R5.1 3773.03,1746.97 4060,2033.94 v2(4060,2610) ; v2(3870,3105) 3871.62,3105 3877.77,3111.15 3878.18,3111.15 U1.32
  Bottom Layer w10: v2(3870,3105) 3765,3000 3765,2905 v2(4060,2610)
BEEP: R9.1 U1.96 | length 618.1
  Top Layer w10: R9.1 3068.54,2694.76 3078.31,2685 3507.71,2685 U1.96
GND: C1.1 C2.2 C3.2 C4.2 C5.1 C6.1 C7.2 C8.1 C12.1 C13.2 C14.1 C15.1 C16.1 C17.2 C18.2 C19.1 C20.1 C21.2 C22.2 C23.1 C24.1 D1.1 D2.1 E1.2 JP1.4 JP4.2 JP8.1 LED1.2 LED2.2 LED3.2 OSC1.2 Q1.2 R2.2 R5.2 R6.1 R12.2 R16.1 R17.2 R18.2 R25.1 R26.1 R27.2 R28.2 R33.1 R34.1 RSET1.1 SW1.2 TypeC1.1 TypeC1.7 TypeC1.8 TypeC1.14 TypeC1.15 TypeC1.16 TypeC1.17 TypeC1.18 U1.10 U1.26 U1.49 U1.74 U1.99 U2.5 U3.5 U4.5 U5.5 V1.1
  other v1: 3960,1560 4000,1560 4040,1560 4080,1560 4120,1560 4160,1560 4200,1560 4240,1560 4280,1560 4320,1560 4360,1560 4400,1560 3960,1600 4000,1600 4040,1600 4080,1600 4120,1600 4160,1600 4200,1600 4240,1600 4280,1600 4320,1600 4360,1600 4400,1600 3960,1640 4000,1640 4040,1640 4080,1640 4120,1640 4160,1640 4200,1640 4240,1640 4280,1640 4320,1640 4360,1640 4400,1640 3960,1680 4000,1680 4040,1680 4080,1680 4120,1680 4160,1680 4200,1680 4240,1680 4280,1680 4320,1680 4360,1680 4400,1680 3960,1720 4000,1720 4040,1720 4080,1720 4120,1720 4160,1720 4200,1720 4240,1720 4280,1720 4320,1720 4360,1720 4400,1720 3960,1760 4000,1760 4040,1760 4080,1760 4120,1760 4160,1760 4200,1760 4240,1760 4280,1760 4320,1760 4360,1760 4400,1760 3960,1800 4000,1800 4040,1800 4080,1800 4120,1800 4160,1800 4200,1800 4240,1800 4280,1800 4320,1800 4360,1800 4400,1800 4000,1840 4040,1840 4080,1840 4120,1840 4160,1840 4200,1840 4240,1840 4280,1840 4320,1840 4360,1840 4400,1840 4040,1880 4080,1880 4120,1880 4160,1880 4200,1880 4240,1880 4280,1880 4320,1880 4360,1880 4400,1880 4080,1920 4120,1920 4160,1920 4200,1920 4240,1920 4280,1920 4320,1920 4360,1920 4400,1920 4120,2240 4160,2240 4200,2240 4240,2240 4280,2240 3200,2280 3240,2280 3280,2280 4120,2280 4160,2280 4200,2280 4240,2280 4280,2280 3200,2320 3240,2320 3280,2320 3320,2320 4120,2320 4160,2320 4200,2320 4240,2320 4280,2320 3200,2360 3240,2360 3280,2360 3320,2360 4120,2360 4160,2360 4200,2360 4240,2360 4280,2360 3200,2400 3240,2400 3280,2400 3320,2400 4120,2400 4160,2400 4200,2400 4240,2400 4280,2400 3040,2440 3080,2440 3120,2440 3160,2440 3200,2440 3240,2440 3280,2440 3320,2440 4120,2440 4160,2440 4200,2440 4240,2440 3040,2480 3080,2480 3120,2480 3160,2480 3200,2480 3240,2480 3280,2480 3320,2480 3360,2480 3400,2480 3440,2480 3040,2520 3080,2520 3120,2520 3160,2520 3200,2520 3240,2520 3280,2520 3320,2520 3360,2520 3400,2520 3440,2520 3040,2560 3080,2560 3120,2560 3160,2560 3200,2560 3240,2560 3280,2560 3320,2560 3360,2560 3400,2560 3440,2560 3640,3080 3600,3120 3640,3120 3760,3120 3800,3120 3600,3160 3640,3160 3760,3160 3800,3160 3840,3160 3600,3200 3640,3200 3760,3200 3800,3200 3840,3200 3600,3240 3640,3240 3760,3240 3800,3240 3760,3280 4520,3560 4560,3560 4600,3560 4640,3560 4680,3560 2720,3600 2760,3600 2800,3600 2840,3600 4520,3600 4560,3600 4600,3600 4640,3600 4680,3600 2720,3640 2760,3640 2800,3640 2840,3640 4520,3640 4560,3640 4600,3640 4640,3640 4680,3640 2720,3680 2760,3680 2800,3680 2840,3680 4520,3680 4560,3680 4600,3680 4640,3680 4680,3680 2720,3720 2760,3720 2800,3720 2840,3720 4560,3720 4600,3720 4640,3720 4680,3720 2720,3760 2760,3760 2800,3760 2840,3760 4600,3760 4640,3760 4680,3760 2720,3800 2760,3800 2800,3800 2840,3800 3680,3800 3720,3800 3760,3800 3800,3800 4160,3800 4200,3800 4240,3800 4280,3800 2720,3840 2760,3840 2800,3840 2840,3840 3680,3840 3720,3840 3760,3840 3800,3840 4160,3840 4200,3840 4240,3840 4280,3840 2720,3880 2760,3880 2800,3880 2840,3880 3680,3880 3720,3880 3760,3880 3800,3880 4160,3880 4200,3880 4240,3880 4280,3880 2720,3920 2760,3920 2800,3920 2840,3920 3680,3920 3720,3920 3760,3920 3800,3920 4160,3920 4200,3920 4240,3920 4280,3920 2720,3960 2760,3960 2800,3960 2840,3960 3680,3960 3720,3960 3760,3960 3800,3960 4160,3960 4200,3960 4240,3960 4280,3960 3680,4000 3720,4000 3760,4000 3800,4000 4160,4000 4200,4000 4240,4000 4280,4000
HS_DN: R14.1 U1.70 | length 104.8
  Top Layer w10: R14.1 3368.79,3323.43 3368.79,3296.33 U1.70
HS_DP: R13.1 U1.71 | length 102.6
  Top Layer w10: R13.1 3331.57,3286.21 3345.38,3286.21 3346.78,3284.82 3352.47,3284.82 U1.71
LED1: R10.2 U1.28 | length 611
  Top Layer w10: U1.28 4113.39,3235 v2(4165,3235) ; v2(4530,3195) 4605,3195 4625,3215 R10.2
  Bottom Layer w10: v2(4165,3235) 4205,3195 v2(4530,3195)
LED2: R11.2 U1.29 | length 599.4
  Top Layer w10: U1.29 4109.41,3258.85 4128.85,3258.85 v2(4130,3260) ; v2(4505,3355) 4540,3355 4565,3330 R11.2
  Bottom Layer w10: v2(4130,3260) 4255,3260 4350,3355 v2(4505,3355)
NetC8_2: C8.2 R3.1 RSET1.2 U1.14 | length 1321
  Top Layer w10: v2(3895,2995) 3896.15,2993.85 3896.15,2991.7 U1.14 ; v2@4635,2660 v2(4636.46,2661.46) R3.1 ; C8.2 R3.1 ; RSET1.2 4850,2715 4796.46,2661.46 R3.1
  Bottom Layer w10: v2(3895,2995) 4228.54,2661.46 v2(4636.46,2661.46)
NetC9_1: C9.1 R7.2 U1.20 | length 546.1
  Top Layer w10: U1.20@4037.68,3017.26 U1.20 4075,2979.88 v2(4075,2962.44) 4075,2945 R7.2 ; C9.1 4265.18,2999.82 v2(4300,2965)
  Bottom Layer w10: v2(4075,2962.44) 4102.44,2935 4210,2935 4265,2880 4300,2880 4330,2910 4330,2935 v2(4300,2965)
NetC9_2: C9.2 C10.1 C11.2 R6.2 U1.19 | length 486.1
  Top Layer w10: v2(3985,3065) 3985,3042.03 U1.19 ; v2(4100,2985) 4125.41,2959.59 4134.22,2959.59 4134.82,2960.18 C10.1 C11.2 C9.2 R6.2
  Bottom Layer w10: v2(3985,3065) 4005,3085 4040,3085 4100,3025 v2(4100,2985)
NetC10_2: C10.2 C11.1 L1.2 R7.1 U1.21 | length 491.2
  Top Layer w10: U1.21 4077.71,3005 4110,3005 v2(4145,3040) ; L1.2 C10.2 C11.1 4225.18,2959.82 v2(4255,2930)
  Bottom Layer w10: v2(4145,3040) v2(4255,2930)
NetC13_1: C13.1 U1.73 | length 141.7
  Top Layer w10: C13.1 3268.13,3219.82 3278.31,3230 3351.12,3230 3380.14,3200.99 U1.73
NetC15_2: C15.2 U1.48 | length 119.8
  Top Layer w10: U1.48 3846.21,3524.6 3846.21,3578.42 C15.2
NetD3_1: D3.1 LS1.2 Q1.3 | length 752.5
  Top Layer w10: D3.1@2684.45,2545 2684.45,2817.87 LS1.2 2846.57,2980 3030,2980 3050,2960 Q1.3
NetJP2_1: JP2.1 R19.1 R21.2 U2.6 | length 282.9
  Top Layer w10: U2.6 4531.77,4151.77 4531.77,4253.23 R19.1 ; JP2.1 4554.21,4358.32 4533.54,4337.65 R19.1 ; R21.2 R19.1
NetJP2_2: JP2.2 R17.1 R19.2 U2.7 | length 282.9
  Top Layer w10: R17.1 R19.2 ; JP2.2 4455.79,4358.32 4476.46,4337.65 R19.2 ; U2.7 4478.23,4151.77 4478.23,4253.23 R19.2
NetJP3_1: JP3.1 R20.1 R22.2 U3.6 | length 282.9
  Top Layer w10: U3.6 4031.77,4151.77 4031.77,4253.23 R20.1 ; JP3.1 4054.21,4355.66 4033.54,4334.99 R20.1 ; R22.2 R20.1
NetJP3_2: JP3.2 R18.1 R20.2 U3.7 | length 282.9
  Top Layer w10: R18.1 R20.2 ; JP3.2 3955.79,4355.66 3976.46,4334.99 R20.2 ; U3.7 3978.23,4151.77 3978.23,4253.23 R20.2
NetJP6_1: JP6.1 R31.1 R35.2 U4.6 | length 288.6
  Top Layer w10: U4.6 3532.68,4152.68 3532.68,4249.14 R31.1 ; JP6.1 3554.21,4361.86 3530,4337.65 3530,4263.54 R31.1 ; R35.2 R31.1
NetJP6_2: JP6.2 R27.1 R31.2 U4.7 | length 285.2
  Top Layer w10: R27.1 3480,4255 R31.2@3480.73,4254.27 ; JP6.2 3455.79,4363.87 3481.46,4338.2 R31.2 R31.2@3480.73,4254.27 ; U4.7 3480.73,4150.73 R31.2@3480.73,4254.27
NetJP7_1: JP7.1 R32.1 R36.2 U5.6 | length 280.9
  Top Layer w10: U5.6 3036.77,4151.77 3036.77,4253.23 R32.1 ; JP7.1 3054.21,4355.66 3038.54,4339.99 R32.1 ; R36.2 R32.1
NetJP7_2: JP7.2 R28.1 R32.2 U5.7 | length 280
  Top Layer w10: R28.1 R32.2 ; JP7.2 2955.79,4363.87 2981.46,4338.2 R32.2 ; U5.7 2983.23,4151.77 2983.23,4253.23 R32.2
NetLED1_1: LED1.1 R1.2 | length 55.6
  Top Layer w10: R1.2 3848.54,2353.54 LED1.1
NetLED2_1: LED2.1 R10.1 | length 55.6
  Top Layer w10: R10.1 4678.54,3298.54 LED2.1
NetLED3_1: LED3.1 R11.1 | length 55.6
  Top Layer w10: LED3.1 4511.46,3241.46 R11.1
NetOSC1_3: OSC1.3 U1.12 | length 97.5
  Top Layer w10: U1.12 3994.27,2837.89 OSC1.3
NetQ1_1: Q1.1 R9.2 R12.1 | length 154.1
  Top Layer w10: R9.2 3012.03,2695.57 Q1.1@3012.03,2848.09 ; Q1.1@3012.03,2838.09 Q1.1
NetR2_1: R2.1 U1.94 | length 100.5
  Top Layer w10: R2.1 3526.57,2783.79 3550.82,2783.79 U1.94
NetR13_2: R13.2 TypeC1.4 TypeC1.11 | length 395.1
  Top Layer w10: TypeC1.4 2972.61,3407.39 2972.61,3399.27 2987.72,3384.15 TypeC1.11 2987.72,3352.28 3035,3305 3269.63,3305 R13.2
NetR14_2: R14.2 TypeC1.5 TypeC1.12 | length 1153.8
  Top Layer w10: TypeC1.12 2952.28,3333.13 2914.14,3295 2790,3295 2755,3330 2755,3470 2780,3495 2920.43,3495 TypeC1.5 3005.43,3460.43 3040,3495 3200,3495 R14.2
SW1: R8.1 SW1.1 U1.36 | length 1051.2
  Top Layer w10: U1.36 4135.68,3480 v2(4365,3480) ; SW1.1 4868.54,3456.46 R8.1
  Bottom Layer w10: v2(4365,3480) SW1.1
SWCLK: JP1.3 R16.2 U1.76 | length 1906.9
  Top Layer w10: U1.76 3305,3039.07 3305,2965 v2(3365,2905) ; v2(4420,2310) 4420,2210 4453.54,2176.46 R16.2 ; R16.2@4552.15,2175.73 4639.28,2175.73 JP1.3
  Bottom Layer w10: v2(3365,2905) 3740,2530 4280,2530 4420,2390 v2(4420,2310)
SWDIO: JP1.2 R15.1 U1.72 | length 1950.2
  Top Layer w10: U1.72 3449.44,3160 v2(3450,3160) ; v2(4340,2535) 4340,2533.38 4365,2508.38 4365,2115 4405.64,2074.36 4554.19,2074.36 R15.1 4555.73,2074.27 4639.27,2074.27 JP1.2
  Bottom Layer w10: v2(3450,3160) 4050,2560 4315,2560 v2(4340,2535)
UART2DE: U1.23 U2.2 U2.3 | length 1161
  Top Layer w10: v2(4000,3145) 4001.15,3143.85 4001.15,3137.24 U1.23 ; v2(4480,3835) U2.2 U2.3
  Bottom Layer w10: v2(4000,3145) 4000,3208.31 3990,3218.31 3990,3290 4480,3780 v2(4480,3835)
UART2RX: U1.25 U2.1 | length 1063.3
  Top Layer w10: U1.25 4107.7,3086.85 4134.56,3060 4190,3060 4430,3300 U2.1
UART2TX: U1.24 U2.4 | length 1107
  Top Layer w10: v2(4035,3135) 4036.15,3133.85 4036.15,3130.09 U1.24 ; v2(4580,3835) U2.4
  Bottom Layer w10: v2(4035,3135) 4035,3290 v2(4580,3835)
UART3DE: U1.59 U3.2 U3.3 | length 1015.4
  Top Layer w10: U1.59 3621.36,3350 v2(3800,3350) ; v2(3980,3825) U3.2 U3.3
  Bottom Layer w10: v2(3800,3350) 3915,3350 3980,3415 v2(3980,3825)
UART3RX: U1.47 U3.1 | length 512.2
  Top Layer w10: U1.47 3930,3580.56 U3.1
UART3TX: U1.46 U3.4 | length 582.5
  Top Layer w10: U1.46 4080,3702.71 U3.4
UART4DE: U1.77 U4.2 U4.3 | length 985.9
  Top Layer w10: U1.77 3423.77,3130 3450,3130 3500,3180 v2(3500,3210) ; v2(3480,3620) U4.2 U4.3
  Bottom Layer w10: v2(3480,3620) 3500,3600 v2(3500,3210)
UART4RX: U1.79 U4.1 | length 991.3
  Top Layer w10: U1.79 3394.82,3045.1 3519.72,3170 v2(3520,3170) ; U4.1 3430,3709.6 3449.6,3690 v2(3450,3690)
  Bottom Layer w10: v2(3450,3690) 3540,3600 3540,3190 v2(3520,3170)
UART4TX: U1.22 U4.4 | length 1086.3
  Top Layer w10: v2(3580,3815) U4.4 ; v2(3960,3150) 3960.28,3150 4065.18,3045.1 U1.22
  Bottom Layer w10: v2(3580,3815) 3580,3711.51 3661.51,3630 3661.51,3448.49 v2(3960,3150)
UART5DE: U1.65 U5.2 U5.3 | length 942.8
  Top Layer w10: v2(2985,3830) U5.2 U5.3 ; v2@3445,3360 v2(3445,3359.32) U1.65
  Bottom Layer w10: v2(2985,3830) 2985,3750 3185,3550 3295,3550 3420,3425 3420,3384.32 v2(3445,3359.32)
UART5RX: U1.51 U5.1 | length 1047.1
  Top Layer w10: U5.1 2935,3725 3070,3590 3604.07,3590 U1.51
UART5TX: U1.52 U5.4 | length 886
  Top Layer w10: v2(3085,3835) U5.4 ; v2(3610,3555) 3610.74,3555 3672.45,3493.3 U1.52
  Bottom Layer w10: v2(3085,3835) 3085,3795 3150,3730 3500,3730 3585,3645 3585,3580 v2(3610,3555)
VCC_3.3V: C1.2 C4.1 C6.2 C7.1 C12.2 C14.2 C16.2 C17.1 C18.1 C21.1 C22.1 D1.2 D2.2 JP1.1 L1.1 OSC1.4 R1.1 R3.2 R8.2 R15.2 R21.1 R22.1 R35.1 R36.1 U1.6 U1.11 U1.27 U1.50 U1.75 U1.100 U2.8 U3.8 U4.8 U5.8 V1.2 V1.4 | length 13256.1
  Top Layer w10: v2(2785,4215) 2730,4215 2640,4125 2640,3320 2825,3135 3170.37,3135 C12.2 3219.36,3179.82 3234.17,3165 3275,3165 3301.24,3191.24 3334.69,3191.24 U1.75 ; V1.4 3627.6,2069.61 D1.2 ; C1.2 3624.25,2690.18 U1.100 ; v2(3685,3390) 3685,3419.07 U1.50 3804.82,3538.88 3804.82,3603.22 3806.21,3604.62 3806.21,3618.42 C16.2 ; v2(3755,3050) v2(3820,2985) 3820,2984.66 3912.34,2892.32 U1.11 3938.5,2865.82 3938.5,2780.82 OSC1.4@3935.71,2778.04 ; C6.2 R1.1 ; U1.6 3887.08,2778.04 OSC1.4@3935.71,2778.04 ; C7.1 3935.71,2751.08 OSC1.4@3935.71,2778.04 ; v2(4015,2910) 4045.41,2879.59 4059.22,2879.59 L1.1 ; U1.27 4093.79,3187.06 4116.72,3210 4140,3210 4160,3190 4160,3165 4185,3140 4230.4,3140 4250,3159.6 v2(4250,3160) 4250,3162.59 4249.82,3162.77 4249.82,3183 4251.21,3184.39 4251.21,3218.42 C14.2 ; R15.2 4556.97,2016.46 4590.55,1982.87 4632.13,1982.87 JP1.1 ; R3.2 4730,2750 v2(4790,2810) ; v2(4811.46,3311.46) R8.2
  Top Layer w20: v2(2785,4215) 2785,4208.54 2838.27,4155.28 2838.27,4153.31 2843.03,4148.54 C22.1 2845.73,4149.27 2934.27,4149.27 U5.8 ; v2(3210,4255) R36.1 3153.31,4250.24 3153.31,4231.69 3236.46,4148.54 C21.1 3340.73,4149.27 3429.27,4149.27 U4.8 ; D2.2 3715,2432.48 ; C1.2 3715,2595.37 3715,2432.48 ; v2(3710,4255) R35.1 3647.09,4253.03 3755.12,4145 3928.15,4145 3930,4146.85 U3.8 ; C6.2 v2(3953.54,2153.54) v2@3955,2155 ; C7.1 3820,2635.37 3820,2537.48 3715,2432.48 ; v2(4210,4255) R22.1 4143.54,4253.03 4246.57,4150 U2.8 ; R21.1 v2(4710,4255)
  Top Layer w40: V1.2 V1.4 3612.2,2106.65 3657.48,2151.93 C4.1 3793.39,2151.93 C6.2
  Bottom Layer w10: v2(3685,3390) 3685,3120 v2(3755,3050) ; v2(3820,2985) 3860,3025 3900,3025 v2(4015,2910) ; v2(4250,3160) 4660,3160 v2(4811.46,3311.46)
  Bottom Layer w20: v2(2785,4215) 2785,4235 2805,4255 v2(3710,4255) v2(4210,4255) v2(4710,4255) 4830,4255 4900,4185 4900,3400 v2(4811.46,3311.46) 4811.46,2831.46 4770,2790 4770,2025 4720.01,1975.01 JP1.1 4461.46,2153.54 v2(3953.54,2153.54)
VCC_5V: C3.1 C5.2 D3.2 E1.1 JP4.1 JP8.2 LS1.1 R4.1 V1.3 | length 2244
  Top Layer w20: LS1.1 2765,2636.69 2856.69,2545 2865.55,2545 D3.2 2865.55,2224.45 JP4.1 ; JP8.2 3431.5,1818.5 3431.5,1758.5 3590,1600 R4.1
  Top Layer w40: V1.3 3387.24,1995 JP4.1 3095,1670.31 3095.31,1670 E1.1 3365,1670 3430,1735 ; 3430,1740 JP8.2
pads on no net: JP4.MP1 JP4.MP2 JP5.0 OSC1.1 TypeC1.2 TypeC1.3 TypeC1.6 TypeC1.9 TypeC1.10 TypeC1.13 U1.1 U1.2 U1.3 U1.4 U1.5 U1.7 U1.8 U1.9 U1.13 U1.15 U1.16 U1.31 U1.33 U1.34 U1.37 U1.38 U1.39 U1.40 U1.41 U1.42 U1.43 U1.44 U1.45 U1.53 U1.54 U1.55 U1.56 U1.57 U1.58 U1.60 U1.61 U1.62 U1.63 U1.64 U1.66 U1.67 U1.68 U1.69 U1.78 U1.80 U1.81 U1.82 U1.83 U1.84 U1.85 U1.86 U1.87 U1.88 U1.89 U1.90 U1.91 U1.92 U1.93 U1.95 U1.97 U1.98

## Polygon pours and split planes (outlines as drawn)
GND on Top Layer "GND_L01_P003" (solid, remove dead copper, pour order 3): 2575.03,1640.15 2575.03,4553.54 cw(c2693.14,4553.54) 2693.15,4671.65 4819.13,4671.65 cw(c4819.13,4553.54) 4937.24,4553.54 4937.24,1640.15 cw(c4819.13,1640.15) 4819.13,1522.04 2693.14,1522.04 cw(c2693.14,1640.15)
VCC_3.3V on Top Layer "NONET_L-01_P-001" (solid, remove dead copper, pour order 0): 3345,2130 3530,2130 3530,2210 3525,2215 3530,2220 3530,2385 3660,2385 3670,2375 3670,2205 3850,2205 3850,2125 3680,2125 3670,2115 3670,1990 3530,1990 3525,1995 3525,2035 3345,2035
GND on Bottom Layer "GND_L02_P004" (solid, remove dead copper, pour order 4): 2575.03,1640.15 2575.03,4553.54 cw(c2693.14,4553.54) 2693.15,4671.65 4819.13,4671.65 cw(c4819.13,4553.54) 4937.24,4553.54 4937.24,1640.15 cw(c4819.13,1640.15) 4819.13,1522.04 2693.14,1522.04 cw(c2693.14,1640.15)

## Silkscreen, mask and mechanical layers (free items; w line width, h text height)
Mechanical 1:
  circle w0.5: c4819.13,1640.15 r98.43
  circle w0.5: c2693.14,1640.15 r98.43
  circle w0.5: c4819.13,4553.54 r98.43
  circle w0.5: c2693.14,4553.54 r98.43
  circle w0.5: c4819.13,1640.15 r59.06
  circle w0.5: c2693.14,1640.15 r59.06
  circle w0.5: c2693.14,4553.54 r59.06
  circle w0.5: c4819.13,4553.54 r59.06
  lines w0.5: 2575.03,1640.15 ccw(c2693.14,1640.15) 2693.14,1522.04 4819.13,1522.04 ccw(c4819.13,1640.15) 4937.24,1640.15 4937.24,4553.54 ccw(c4819.13,4553.54) 4819.13,4671.65 2693.14,4671.65 ccw(c2693.14,4553.54) 2575.03,4553.54 2575.03,1640.15

## Text inside footprints (layer, text, board x,y; h text height)
SW1: Top Overlay "ON" at 4805,3700 h25